# KiCad board stain.kicad_pcb (continued)
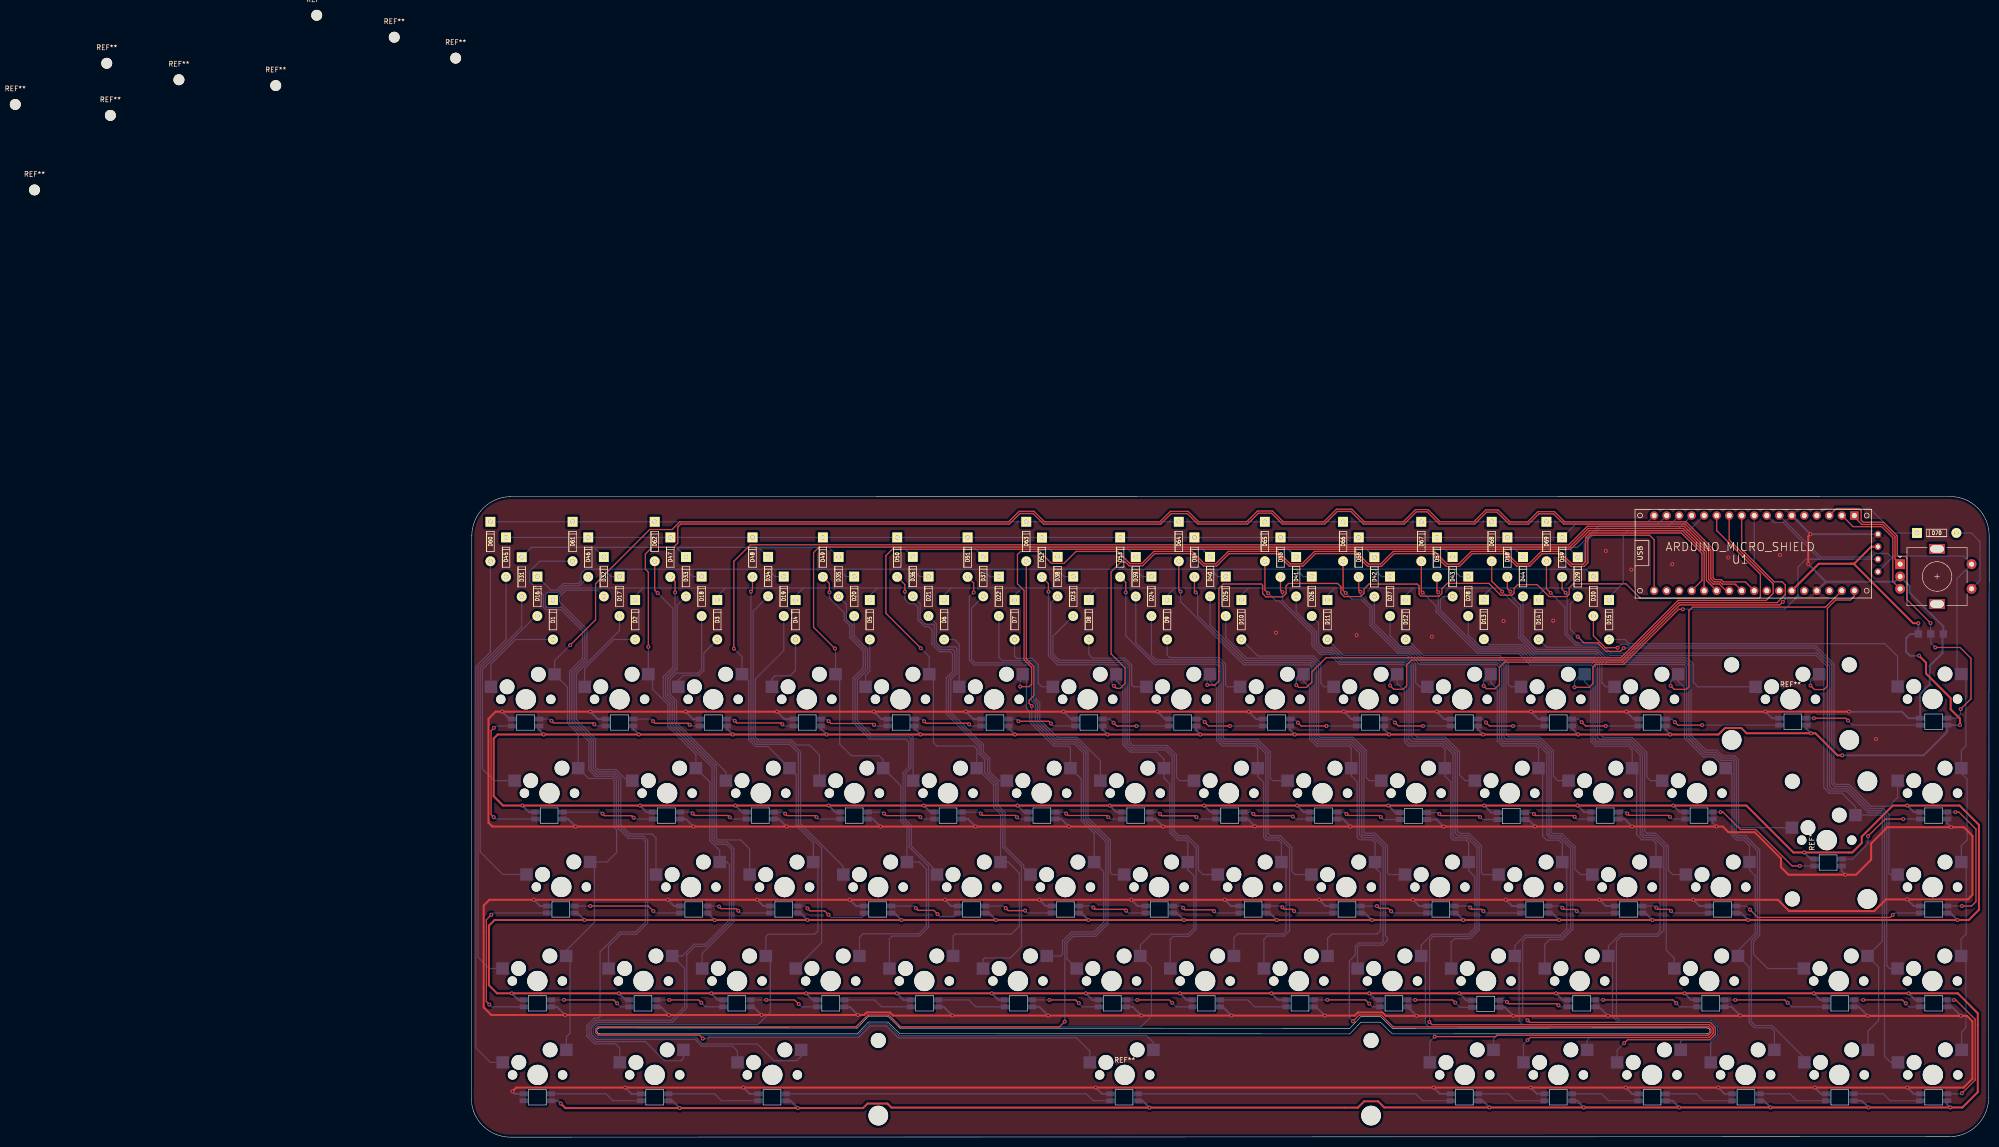
[diagram p0: board, top side]
## Routing (per net, layer and track width the routed paths; a pad name or vN(x,y) marks a point on that pad's centre or on a via; arc(x,y) is an arc through that point) (continued)
Net-(D29-Pad2): length 116
  Top w0.25: v1(224.54,101.52) 225.78,100.27 228.52,100.27 230.24,98.56 233.21,98.56 v1(233.86,99.21)
  Bottom w0.25: D29.2 223.04,108.15 223.04,103.01 v1(224.54,101.52) ; v1(233.86,99.21) 272.69,99.21 276.1,95.8 276.1,71.7 276.68,71.12 279.42,71.12 283.86,66.68 286.5,66.68 287.69,65.49 287.69,53.48 287.9,53.26 SW29.1
Net-(D30-Pad2): length 98.9
  Top w0.25: v1(232.61,99.28) 230.15,99.28 227.72,101.71 D30.2
  Bottom w0.25: SW30.1 289.45,68.9 287.68,67.13 284.05,67.13 279.61,71.56 276.89,71.56 276.55,71.91 276.55,95.99 272.88,99.65 234.78,99.65 234.47,99.97 233.3,99.97 v1(232.61,99.28)
Net-(D31-Pad2): length 66.5
  Bottom w0.25: SW31.1 6.39,53.29 1.81,57.87 1.81,95.07 10.23,103.49 D31.2
Net-(D32-Pad2): length 81.5
  Bottom w0.25: D32.2 25.63,110.95 19.21,110.95 17.9,109.64 17.9,108.58 23.47,103.01 23.47,96.8 20.86,94.19 20.86,84.54 24.76,80.64 24.76,74.86 25.52,74.11 29.18,74.11 30.33,72.97 30.33,63.39 32.23,61.49 36.68,61.49 37.48,60.68 SW32.1
Net-(D33-Pad2): length 67.5
  Bottom w0.25: D33.2 41.79,107.9 41.79,94.96 39.86,93.03 39.86,89.7 41.21,88.35 41.21,83.91 49.75,75.37 49.75,60.7 50.16,60.29 54.66,60.29 56.48,58.47 SW33.1
Net-(D34-Pad2): length 69.2
  Bottom w0.25: SW34.1 75.48,54.92 66.82,63.58 66.82,78.08 64.76,80.14 58.06,80.14 57.19,81.01 57.19,106.67 D34.2
Net-(D35-Pad2): length 72
  Bottom w0.25: SW35.1 94.48,53.86 89.31,59.03 89.31,63.21 88.06,64.46 88.06,73.75 89.21,74.9 89.21,80.94 88.94,81.2 81.04,81.2 77.88,84.36 77.88,92.94 79.97,95.03 79.97,98.79 77.25,101.52 77.25,103.92 76.12,105.05 76.12,108.08 D35.2
Net-(D36-Pad2): length 69.8
  Bottom w0.25: D36.2 91.08,108.23 91.08,105.12 92.2,104.01 93.73,104.01 93.94,103.8 93.94,100.16 95.17,98.93 97.74,98.93 98.11,98.56 98.11,94.29 96.85,93.03 96.85,89.71 96.84,89.7 96.84,86.06 103.48,79.42 103.48,77.94 104.77,76.65 104.77,73.93 106.88,71.83 106.88,67.3 108.31,65.88 108.31,58.95 112.11,55.15 112.11,54.64 SW36.1
Net-(D37-Pad2): length 80.5
  Bottom w0.25: D37.2 101.52,107.34 101.52,96.94 102.23,96.23 113.42,96.23 114.14,95.51 114.14,88.7 114.91,87.93 114.91,84.52 118.77,80.67 122.73,80.67 125.15,78.25 125.15,64.78 129.68,60.25 129.68,53.68 130.1,53.26 SW37.1
Net-(D38-Pad2): length 85.6
  Bottom w0.25: D38.2 117.57,108.31 117.57,97.84 119.14,96.28 132.22,96.28 133.11,95.38 133.11,79.99 134.1,79 141.04,79 142.66,77.37 142.66,62.09 143.61,61.14 145.33,61.14 147.54,58.93 147.54,54.2 148.48,53.26 SW38.1
Net-(D39-Pad2): length 85.6
  Bottom w0.25: SW39.1 167.15,53.26 166.52,53.89 166.52,58.8 164.15,61.17 162.14,61.17 161.7,61.61 161.7,77.97 159.4,80.27 152.77,80.27 152.16,80.87 152.16,95.58 151.37,96.38 138.78,96.38 134.85,100.31 D39.2
Net-(D40-Pad2): length 87.7
  Bottom w0.25: D40.2 149.93,103.91 157.14,96.7 170.58,96.7 171.49,95.79 171.49,81.25 172.08,80.67 178.76,80.67 181.15,78.28 181.15,61.9 181.38,61.67 183.39,61.67 185.94,59.12 185.94,53.59 186.26,53.26 SW40.1
Net-(D41-Pad2): length 88.6
  Bottom w0.25: D41.2 167.39,106.62 171.49,102.53 171.49,100.07 172.75,98.8 174.62,98.8 176.62,96.8 189.65,96.8 190.75,95.71 190.75,81.41 191.46,80.69 197.48,80.69 200.11,78.06 200.11,62.11 200.61,61.62 202.46,61.62 204.99,59.09 204.99,53.65 205.38,53.26 SW41.1
Net-(D42-Pad2): length 91.4
  Bottom w0.25: SW42.1 225.11,53.26 223.99,54.39 223.99,58.91 221.31,61.59 219.43,61.59 219.16,61.86 219.16,78.19 216.64,80.72 210.03,80.72 209.56,81.19 209.56,95.64 208.42,96.78 192.88,96.78 190.61,99.05 188.45,99.05 183.27,104.23 D42.2
Net-(D43-Pad2): length 97.7
  Bottom w0.25: D43.2 197.21,109.68 196.67,109.14 196.67,106.95 204.6,99.02 212.93,99.02 215.28,96.68 227.65,96.68 228.53,95.79 228.53,81.11 229,80.64 235.36,80.64 238.11,77.89 238.11,62.11 238.55,61.67 240.31,61.67 242.94,59.04 242.94,54.14 243.81,53.26 SW43.1
Net-(D44-Pad2): length 94.9
  Bottom w0.25: D44.2 213.43,101.71 216.21,98.93 228.6,98.93 230.75,96.78 246.55,96.78 247.53,95.79 247.53,81.52 250.54,78.51 252.76,78.51 253.92,77.35 256.38,77.35 257.17,76.56 257.17,63.17 257.55,62.79 SW44.1
Net-(D45-Pad2): length 85.4
  Bottom w0.25: D45.2 7.05,100.95 1.36,95.26 1.36,36.48 3.63,34.21 SW45.1
Net-(D46-Pad2): length 107.5
  Bottom w0.25: SW46.1 27.85,38.69 30.33,41.17 33.5,41.17 35.79,43.45 35.79,60.22 34.97,61.04 32.05,61.04 29.88,63.21 29.88,72.78 29,73.66 25.33,73.66 24.31,74.68 24.31,80.45 20.41,84.35 20.41,94.37 23.02,96.98 23.02,102.83 18.39,107.46 15.34,107.46 15.09,107.71 15.09,110.11 15.49,110.51 17.5,110.51 18.84,111.85 21.92,111.85 D46.2
Net-(D47-Pad2): length 90.2
  Top w0.25: v1(41.36,110.52) 41.36,112.7 40.41,113.65 D47.2
  Bottom w0.25: v1(41.36,110.52) 41.34,110.5 41.34,95.14 39.41,93.21 39.41,89.51 40.76,88.16 40.76,83.72 49.3,75.19 49.3,60.52 49.97,59.84 51.98,59.84 53.28,58.54 53.28,43.7 46.85,37.27 SW47.1
Net-(D48-Pad2): length 91.6
  Top w0.25: v1(56.74,110.67) 57.06,110.99 D48.2
  Bottom w0.25: v1(56.74,110.67) 56.74,80.82 57.88,79.69 64.58,79.69 66.37,77.9 66.37,63.39 71.09,58.67 71.09,39.46 SW48.1
Net-(D49-Pad2): length 101.8
  Top w0.25: v1(72.67,110.53) 72.67,112.33 D49.2
  Bottom w0.25: SW49.1 84.85,40.21 85.43,40.79 91,40.79 92.79,42.58 92.79,54.92 88.86,58.85 88.86,63.03 87.61,64.28 87.61,73.94 88.76,75.09 88.76,80.17 88.17,80.75 80.86,80.75 77.43,84.18 77.43,93.13 79.52,95.22 79.52,98.6 76.8,101.33 76.8,103.74 75.67,104.86 75.67,106.36 72.67,109.37 v1(72.67,110.53)
Net-(D50-Pad2): length 99.6
  Top w0.25: v1(87.99,110.67) 87.99,112.1 D50.2
  Bottom w0.25: v1(87.99,110.67) 87.99,109.16 88.93,108.22 89.89,108.22 90.63,107.48 90.63,104.94 92.02,103.56 92.85,103.56 93.49,102.92 93.49,99.98 94.99,98.48 97.17,98.48 97.66,97.99 97.66,94.48 96.39,93.21 96.39,85.87 103.03,79.23 103.03,77.75 104.18,76.6 104.18,73.89 106.43,71.64 106.43,67.12 107.86,65.69 107.86,58.77 111.66,54.97 111.66,38.63 109.37,36.34 104.17,36.34 103.85,36.02 SW50.1
Net-(D51-Pad2): length 107.8
  Top w0.25: v1(101.96,110.51) 101.96,112.41 D51.2
  Bottom w0.25: v1(101.96,110.51) 101.07,109.62 101.07,96.75 102.04,95.78 112.44,95.78 112.45,95.78 113.23,95.78 113.69,95.32 113.69,88.52 114.46,87.74 114.46,84.33 118.58,80.22 122.54,80.22 124.7,78.06 124.7,64.6 129.23,60.07 129.23,43.24 126.73,40.74 122.18,40.74 120.88,39.44 120.88,36.18 SW51.1
Net-(D52-Pad2): length 109.1
  Top w0.25: v1(117.12,110.64) 117.12,112.3 D52.2
  Bottom w0.25: v1(117.12,110.64) 117.12,97.66 118.95,95.83 132.03,95.83 132.66,95.19 132.66,79.8 133.92,78.55 140.85,78.55 142.21,77.18 142.21,61.9 143.42,60.69 145.12,60.69 147.09,58.72 147.09,42.21 145.6,40.72 142.43,40.72 141.85,40.14 SW52.1
Net-(D53-Pad2): length 110.5
  Top w0.25: D53.2 132.82,112.51 v1(132.82,110.51)
  Bottom w0.25: SW53.1 160.85,40.14 161.5,40.79 164.96,40.79 166.07,41.9 166.07,58.62 163.97,60.72 161.65,60.72 161.24,61.13 161.24,77.79 159.22,79.82 152.58,79.82 151.71,80.69 151.71,95.4 151.18,95.93 138.59,95.93 132.82,101.7 v1(132.82,110.51)
Net-(D54-Pad2): length 114
  Top w0.25: D54.2 146.75,110.77 v1(146.99,110.53)
  Bottom w0.25: SW54.1 179.85,38.56 180.21,38.93 184.94,38.93 185.9,39.9 185.9,40.48 185.49,40.89 185.49,58.93 183.2,61.22 180.97,61.22 180.7,61.49 180.7,78.1 178.58,80.22 171.9,80.22 171.04,81.07 171.04,95.6 170.39,96.25 156.95,96.25 147.4,105.81 147.4,110.13 v1(146.99,110.53)
Net-(D55-Pad2): length 114.1
  Top w0.25: v1(164.62,110.58) 164.22,110.98 D55.2
  Bottom w0.25: v1(164.62,110.58) 164.62,108.76 171.04,102.34 171.04,99.88 172.56,98.35 174.43,98.35 176.43,96.35 189.47,96.35 190.3,95.52 190.3,80.79 190.85,80.24 197.3,80.24 199.66,77.88 199.66,61.72 200.22,61.17 202.28,61.17 204.54,58.9 204.54,42.07 202.73,40.27 199.52,40.27 198.85,39.59 SW55.1
Net-(D56-Pad2): length 116.9
  Top w0.25: v1(180.44,110.64) 180.09,110.98 D56.2
  Bottom w0.25: v1(180.44,110.64) 180.44,109.85 182.82,107.48 182.82,104.05 188.26,98.6 190.42,98.6 192.69,96.33 208.24,96.33 209.11,95.45 209.11,80.75 209.59,80.27 216.45,80.27 218.71,78.01 218.71,61.55 219.12,61.14 221.12,61.14 223.54,58.73 223.54,42.2 221.41,40.07 218.82,40.07 217.85,39.1 SW56.1
Net-(D57-Pad2): length 116.6
  Top w0.25: D57.2 195.97,110.82 v1(196.22,110.57)
  Bottom w0.25: SW57.1 244.13,36.31 242.49,37.95 242.49,58.85 240.12,61.22 238.01,61.22 237.66,61.57 237.66,77.7 235.17,80.19 228.54,80.19 228.08,80.65 228.08,95.61 227.46,96.23 215.09,96.23 212.75,98.58 204.41,98.58 196.22,106.77 v1(196.22,110.57)
Net-(D58-Pad2): length 129.8
  Top w0.25: v1(210.88,110.67) 210.25,111.3 D58.2
  Bottom w0.25: SW58.1 263.09,34.21 260.21,37.09 260.21,39.71 261.46,40.96 261.46,58.29 258.57,61.18 257.1,61.18 256.72,61.56 256.72,76.37 256.19,76.9 253.73,76.9 252.57,78.06 250.36,78.06 247.08,81.33 247.08,95.61 246.36,96.33 230.56,96.33 228.42,98.48 216.02,98.48 212.98,101.52 212.98,107.83 210.88,109.93 v1(210.88,110.67)
Net-(D59-Pad2): length 139.3
  Top w0.25: v1(222.07,110.43) 221.37,111.14 D59.2
  Bottom w0.25: SW59.1 287.83,34.21 287.24,34.8 287.24,65.31 286.32,66.23 283.68,66.23 279.24,70.67 276.11,70.67 275.64,71.14 275.64,95.62 273.1,98.16 231.28,98.16 229.16,100.27 224.29,100.27 222.38,102.19 222.38,110.13 v1(222.07,110.43)
Net-(D60-Pad2): length 106.6
  Bottom w0.25: D60.2 3.88,98.41 0.91,95.45 0.91,18.13 3.88,15.16 SW67.1
Net-(D61-Pad2): length 139.1
  Bottom w0.25: D61.2 13.91,116.83 11.91,114.83 11.91,112.67 14.64,109.94 14.64,107.53 15.16,107.01 18.2,107.01 22.57,102.64 22.57,97.17 19.96,94.56 19.96,84.17 23.86,80.27 23.86,74.49 25.15,73.21 28.81,73.21 29.43,72.59 29.43,63.02 31.86,60.59 34.78,60.59 35.34,60.03 35.34,43.64 33.32,41.62 30.14,41.62 26.14,37.61 26.14,24.5 25.8,24.17 25.01,24.17 23.45,22.61 23.45,20.48 25.01,18.92 29.25,18.92 30.13,18.04 SW68.1
Net-(D62-Pad2): length 160.7
  Top w0.25: D62.2 37.22,110.97 v1(37.82,110.37)
  Bottom w0.25: v1(37.82,110.37) 40.89,107.3 40.89,95.33 38.96,93.4 38.96,89.33 40.31,87.97 40.31,83.54 48.85,75 48.85,60.33 49.79,59.39 51.79,59.39 52.83,58.36 52.83,43.89 47.62,38.68 45.37,38.68 43.73,37.05 43.73,26.25 40.75,23.27 25.38,23.27 24.35,22.23 24.35,20.85 25.38,19.82 45.43,19.82 46.81,18.43 53.06,18.43 54.01,17.49 SW69.1
Net-(D63-Pad2): length 314
  Top w0.25: v1(46.99,19.99) 46.28,20.7 25.76,20.7 25.26,21.2 25.26,21.88 25.75,22.37 78.09,22.37 80.49,24.77 84.72,24.77 87.13,22.36 119.35,22.36 120.37,23.39 120.37,23.4 v1(120.43,23.45) ; v1(113.74,87.44) 113.19,87.99 113.19,88.58 114.16,89.55 114.16,95.5 112.62,97.03 D63.2
  Bottom w0.25: v1(113.74,87.44) 113.74,84.42 118.4,79.77 122.36,79.77 124.25,77.88 124.25,64.41 128.78,59.88 128.78,43.43 126.54,41.19 122,41.19 120.43,39.62 v1(120.43,23.45) ; SW60.1 125.51,17.45 122.82,20.14 86.64,20.14 84.23,22.56 80.93,22.56 78.65,20.27 48.27,20.27 48,19.99 v1(46.99,19.99)
Net-(D64-Pad2): length 266.5
  Top w0.25: v1(143.94,110.66) 143.58,111.02 D64.2 ; v1(178.92,23.51) 180.18,24.77 184.68,24.77 187.08,22.37 251.08,22.37 251.56,21.89 251.56,21.23 251,20.67 208.15,20.67 207.87,20.39 v1(195.5,20.39)
  Bottom w0.25: v1(195.5,20.39) 194.52,19.4 SW61.1 ; v1(178.92,23.51) 178.19,24.24 178.19,35.74 179.4,36.95 179.4,38.75 180.03,39.38 184.75,39.38 185.04,39.67 185.04,58.74 183.02,60.77 180.77,60.77 180.77,60.78 180.24,61.31 180.24,77.9 178.37,79.77 171.71,79.77 170.59,80.89 170.59,95.42 170.21,95.8 156.77,95.8 143.94,108.63 v1(143.94,110.66)
Net-(D65-Pad2): length 236.4
  Top w0.25: v1(194.43,23.37) 194.98,22.82 219.07,22.82 219.07,22.83 251.26,22.83 252.02,22.07 252.02,21.05 251.18,20.21 214.88,20.21 v1(214.35,19.68) ; v1(161.72,110.33) 161.04,111.01 D65.2
  Bottom w0.25: v1(214.35,19.68) 213.52,18.84 SW62.1 ; v1(161.72,110.33) 163.29,108.76 163.98,108.76 170.59,102.16 170.59,99.69 172.38,97.9 174.25,97.9 176.25,95.9 189.28,95.9 189.84,95.34 189.84,80.36 190.41,79.79 197.11,79.79 199.21,77.69 199.21,61.13 199.63,60.72 202.09,60.72 204.09,58.72 204.09,42.26 202.55,40.72 195.17,40.72 194.48,40.02 194.48,23.42 v1(194.43,23.37)
Net-(D66-Pad2): length 201.4
  Top w0.25: v1(233.96,19.07) 234.65,19.76 251.37,19.76 252.47,20.86 252.47,22.25 251.44,23.28 214.78,23.28 v1(214.37,23.69) ; D66.2 176.92,110.91 v1(177.44,110.38)
  Bottom w0.25: SW63.1 232.52,17.63 v1(233.96,19.07) ; v1(177.44,110.38) 178.68,109.14 180.52,109.14 182.37,107.29 182.37,103.86 188.08,98.15 190.21,98.15 192.48,95.88 208.05,95.88 208.66,95.27 208.66,80.56 209.41,79.82 216.26,79.82 218.26,77.82 218.26,61.36 218.93,60.69 220.94,60.69 223.09,58.54 223.09,42.38 221.23,40.52 214.08,40.52 213.37,39.82 213.37,24.68 v1(214.37,23.69)
Net-(D67-Pad2): length 167.6
  Top w0.25: v1(193.07,110.46) 192.79,110.73 D67.2
  Bottom w0.25: SW64.1 251.52,19.28 252.91,20.67 252.91,22.45 251.64,23.72 233,23.72 232.4,24.32 232.4,39.77 233.37,40.74 240.77,40.74 242.01,41.98 242.01,58.7 239.94,60.77 237.83,60.77 237.21,61.38 237.21,77.51 234.98,79.74 228.35,79.74 227.63,80.46 227.63,95.42 227.28,95.78 214.91,95.78 212.56,98.13 204.22,98.13 195.77,106.58 195.77,107.75 v1(193.07,110.46)
Net-(D68-Pad2): length 151.1
  Top w0.25: D68.2 207.08,112.79 v1(209.2,110.67)
  Bottom w0.25: SW65.1 270.52,16.09 263.97,22.64 260.56,22.64 259.76,23.45 259.76,39.9 261.01,41.15 261.01,58.1 258.38,60.73 256.91,60.73 256.27,61.38 256.27,76.19 256.01,76.45 253.54,76.45 252.38,77.61 250.17,77.61 246.63,81.15 246.63,95.42 246.18,95.88 230.38,95.88 228.23,98.03 215.84,98.03 212.53,101.33 212.53,107.33 209.2,110.66 v1(209.2,110.67)
Net-(D69-Pad2): length 162.9
  Top w0.25: D69.2 218.19,111.24 v1(219.05,110.38)
  Bottom w0.25: v1(219.05,110.38) 221.93,107.5 221.93,102 224.11,99.82 228.97,99.82 231.09,97.71 272.92,97.71 275.18,95.44 275.18,70.81 275.78,70.22 279.05,70.22 283.49,65.78 286.13,65.78 286.79,65.12 286.79,16.4 288.03,15.16 SW66.1
Net-(LED1-Pad2): length 14.1
  Top w0.25: v1(148.83,84.19) 149.61,83.41 v1(153.96,83.41)
  Bottom w0.25: LED2.4 153.96,83.41 v1(153.96,83.41) ; LED1.2 148.21,84.81 v1(148.83,84.19)
Net-(LED1-Pad4): length 14.1
  Top w0.25: v1(130.33,84.06) 130.98,83.41 v1(134.97,83.41)
  Bottom w0.25: v1(130.33,84.06) 129.58,84.81 LED15.2 ; v1(134.97,83.41) 134.97,83.41 LED1.4
Net-(LED2-Pad2): length 14.1
  Top w0.25: v1(173.54,83.41) 168.4,83.41 v1(167.75,84.07)
  Bottom w0.25: v1(167.75,84.07) 167,84.81 LED2.2 ; LED3.4 173.54,83.41 v1(173.54,83.41)
Net-(LED3-Pad2): length 14.1
  Top w0.25: v1(193.13,83.41) 188.13,83.41 v1(187.45,84.09)
  Bottom w0.25: LED3.2 186.73,84.81 v1(187.45,84.09) ; v1(193.13,83.41) 193.13,83.41 LED4.4
Net-(LED4-Pad2): length 14.1
  Top w0.25: v1(205.94,84.1) 206.62,83.41 v1(211.41,83.41)
  Bottom w0.25: LED5.4 211.41,83.41 v1(211.41,83.41) ; v1(205.94,84.1) 205.22,84.81 LED4.2
Net-(LED5-Pad2): length 14.1
  Top w0.25: v1(225.33,84.19) 226.11,83.41 v1(230.23,83.41)
  Bottom w0.25: LED5.2 224.71,84.81 v1(225.33,84.19) ; LED6.4 230.23,83.41 v1(230.23,83.41)
Net-(LED6-Pad2): length 23.6
  Top w0.25: v1(244.28,84.17) 244.87,83.58 v1(249.79,83.58)
  Bottom w0.25: LED6.2 243.64,84.81 v1(244.28,84.17) ; LED7.4 v1(249.79,83.58)
Net-(LED7-Pad2): length 23.7
  Top w0.25: v1(279.39,84.53) 278.94,84.98 v1(272.47,84.98)
  Bottom w0.25: LED8.4 280.34,83.58 v1(279.39,84.53) ; LED7.2 272.46,84.98 v1(272.47,84.98)
Net-(LED10-Pad2): length 14.1
  Top w0.25: v1(36.88,84.37) 37.29,83.96 44.01,83.96 v1(44.33,83.65)
  Bottom w0.25: LED10.2 36.44,84.81 v1(36.88,84.37) ; v1(44.33,83.65) 44.56,83.41 LED11.4
Net-(LED10-Pad4): length 14.1
  Top w0.25: v1(16.27,84.45) 16.7,84.01 24.69,84.01 v1(24.95,83.75)
  Bottom w0.25: v1(24.95,83.75) 25.29,83.41 LED10.4 ; v1(16.27,84.45) 15.9,84.81 LED9.2
Net-(LED11-Pad2): length 14.1
  Top w0.25: v1(63.12,83.74) 62.84,84.02 53.89,84.02 v1(53.45,84.46)
  Bottom w0.25: LED11.2 53.1,84.81 v1(53.45,84.46) ; LED12.4 63.45,83.41 v1(63.12,83.74)
Net-(LED12-Pad2): length 14.1
  Top w0.25: v1(81.73,83.64) 81.46,83.91 72.96,83.91 v1(72.49,84.38)
  Bottom w0.25: LED12.2 72.06,84.81 v1(72.49,84.38) ; v1(81.73,83.64) 81.96,83.41 LED13.4
Net-(LED13-Pad2): length 14.1
  Top w0.25: v1(91.89,84.35) 92.28,83.96 100.81,83.96 v1(101.03,83.74)
  Bottom w0.25: v1(101.03,83.74) 101.36,83.41 LED14.4 ; v1(91.89,84.35) 91.43,84.81 LED13.2
Net-(LED14-Pad2): length 14.1
  Top w0.25: v1(111.04,84.37) 111.04,84.37 117.17,84.37 v1(117.64,83.9)
  Bottom w0.25: LED14.2 110.59,84.81 v1(111.04,84.37) ; LED15.4 118.13,83.41 v1(117.64,83.9)
Net-(LED16-Pad2): length 20.2
  Top w0.25: v1(283.44,61.05) 283.45,61.05 286.93,64.53 290.62,64.53 v1(290.59,64.53)
  Bottom w0.25: v1(290.59,64.53) LED16.2 ; v1(283.44,61.05) 283.44,59.53 280.31,56.41 LED30.4
Net-(LED16-Pad4): length 28.2
  Top w0.25: v1(302.49,46.88) 304.45,46.88 305.35,47.78 305.35,62.48 301.9,65.93 v1(301.18,65.93)
  Bottom w0.25: v1(301.18,65.93) 301.17,65.93 LED16.4 ; v1(302.49,46.88) LED31.2
Net-(LED17-Pad2): length 31.1
  Top w0.25: v1(4.58,83.01) 4.01,82.45 4.01,65.44 v1(4.54,64.91)
  Bottom w0.25: v1(4.54,64.91) 4.92,64.53 LED17.2 ; LED9.4 4.98,83.41 v1(4.58,83.01)
Net-(LED17-Pad4): length 18.9
  Top w0.25: v1(26.62,65.62) 27.04,65.2 32.54,65.2 v1(32.94,64.81)
  Bottom w0.25: LED18.2 33.21,64.53 v1(32.94,64.81) ; LED17.4 26.31,65.93 v1(26.62,65.62)
Net-(LED18-Pad4): length 14.1
  Top w0.25: v1(44.91,65.65) 45.3,65.26 52.07,65.26 v1(52.44,64.89)
  Bottom w0.25: LED18.4 44.63,65.93 v1(44.91,65.65) ; LED19.2 52.8,64.53 v1(52.44,64.89)
Net-(LED19-Pad4): length 14.1
  Top w0.25: v1(63.7,65.61) 64.09,65.22 69.74,65.22 v1(70.05,64.91)
  Bottom w0.25: v1(70.05,64.91) 70.43,64.53 LED20.2 ; LED19.4 63.38,65.93 v1(63.7,65.61)
Net-(LED20-Pad4): length 14.1
  Top w0.25: v1(83.77,65.65) 84.19,65.22 90.82,65.22 v1(91.12,64.92)
  Bottom w0.25: v1(91.12,64.92) 91.51,64.53 LED21.2 ; v1(83.77,65.65) 83.48,65.93 LED20.4
Net-(LED21-Pad4): length 14.1
  Top w0.25: v1(110.73,64.9) 110.34,65.28 103.73,65.28 v1(103.39,65.62)
  Bottom w0.25: v1(110.73,64.9) 111.09,64.53 LED22.2 ; LED21.4 103.08,65.93 v1(103.39,65.62)
Net-(LED22-Pad4): length 14.1
  Top w0.25: v1(129.26,64.9) 128.92,65.25 121.09,65.25 v1(120.71,65.63)
  Bottom w0.25: v1(129.26,64.9) 129.63,64.53 LED23.2 ; v1(120.71,65.63) 120.41,65.93 LED22.4
Net-(LED23-Pad4): length 14.1
  Top w0.25: v1(147.14,64.92) 146.87,65.19 140.14,65.19 v1(139.77,65.56)
  Bottom w0.25: LED24.2 147.53,64.53 v1(147.14,64.92) ; LED23.4 139.4,65.93 v1(139.77,65.56)
Net-(LED24-Pad4): length 14.1
  Top w0.25: v1(166.71,65.05) 166.56,65.2 159.07,65.2 v1(158.7,65.57)
  Bottom w0.25: v1(166.71,65.05) 167.23,64.53 LED25.2 ; v1(158.7,65.57) 158.34,65.93 LED24.4
Net-(LED25-Pad4): length 13.4
  Top w0.25: v1(177.62,65.55) 177.91,65.25 184.27,65.25 v1(184.57,64.95)
  Bottom w0.25: v1(184.57,64.95) 185.09,64.44 LED26.2 ; LED25.4 177.23,65.93 v1(177.62,65.55)
Net-(LED26-Pad4): length 14.9
  Top w0.25: v1(204.73,64.92) 204.42,65.22 196.78,65.22 v1(196.45,65.55)
  Bottom w0.25: LED26.4 196.17,65.84 v1(196.45,65.55) ; LED27.2 205.21,64.44 v1(204.73,64.92)
Net-(LED27-Pad4): length 14.1
  Top w0.25: v1(215.66,65.55) 215.97,65.23 223.66,65.23 v1(223.91,64.99)
  Bottom w0.25: v1(215.66,65.55) 215.37,65.84 LED27.4 ; LED28.2 224.36,64.53 v1(223.91,64.99)
Net-(LED28-Pad4): length 14.1
  Top w0.25: v1(243.28,64.96) 242.95,65.28 234.94,65.28 v1(234.57,65.65)
  Bottom w0.25: LED28.4 234.29,65.93 v1(234.57,65.65) ; LED29.2 243.7,64.53 v1(243.28,64.96)
Net-(LED29-Pad4): length 25.2
  Top w0.25: v1(269.61,55.01) 268.05,55.01 260.67,62.39 257.56,62.39 254.02,65.93 v1(253.51,65.93)
  Bottom w0.25: v1(253.51,65.93) 253.51,65.93 LED29.4 ; v1(269.61,55.01) 269.61,55.01 LED30.2
Net-(LED31-Pad4): length 38.7
  Top w0.25: v1(288.47,45.08) 287.95,44.57 261.06,44.57 v1(259.48,46.15)
  Bottom w0.25: v1(288.47,45.08) 288.87,45.48 LED31.4 ; v1(259.48,46.15) 258.75,46.88 LED32.2
Net-(LED32-Pad4): length 14.1
  Top w0.25: v1(240.5,46.54) 240.84,46.2 243.15,46.2 v1(243.48,45.87)
  Bottom w0.25: v1(240.5,46.54) 240.16,46.88 LED33.2 ; v1(243.48,45.87) 243.87,45.48 LED32.4
Net-(LED33-Pad4): length 14.1
  Top w0.25: v1(224.34,45.85) 224.01,46.18 221.77,46.18 v1(221.42,46.53)
  Bottom w0.25: LED34.2 221.07,46.88 v1(221.42,46.53) ; v1(224.34,45.85) 224.71,45.48 LED33.4
Net-(LED34-Pad4): length 14.1
  Top w0.25: v1(205.39,45.85) 205,46.24 203.08,46.24 v1(202.74,46.58)
  Bottom w0.25: LED34.4 205.76,45.48 v1(205.39,45.85) ; LED35.2 202.44,46.88 v1(202.74,46.58)
Net-(LED35-Pad4): length 14.1
  Top w0.25: v1(186.68,45.82) 186.08,46.42 184.23,46.42 183.78,46.87 v1(183.78,46.88)
  Bottom w0.25: v1(183.78,46.88) LED36.2 ; LED35.4 187.02,45.48 v1(186.68,45.82)
Net-(LED36-Pad4): length 14.1
  Top w0.25: v1(166.98,45.85) 166.6,46.23 165.01,46.23 v1(164.6,46.64)
  Bottom w0.25: v1(164.6,46.64) 164.36,46.88 LED37.2 ; v1(166.98,45.85) 167.35,45.48 LED36.4
Net-(LED37-Pad4): length 14.1
  Top w0.25: v1(144.44,46.52) 144.85,46.11 150.47,46.11 v1(150.75,45.84)
  Bottom w0.25: v1(144.44,46.52) 144.08,46.88 LED38.2 ; LED37.4 151.1,45.48 v1(150.75,45.84)
Net-(LED38-Pad4): length 14.1
  Top w0.25: v1(132.89,45.95) 132.62,46.22 126.59,46.22 v1(126.23,46.58)
  Bottom w0.25: LED39.2 125.93,46.88 v1(126.23,46.58) ; LED38.4 133.36,45.48 v1(132.89,45.95)
Net-(LED39-Pad4): length 14.1
  Top w0.25: v1(108.46,46.44) 108.95,45.95 v1(112.38,45.95)
  Bottom w0.25: v1(108.46,46.44) 108.02,46.88 LED40.2 ; LED39.4 112.85,45.48 v1(112.38,45.95)
Net-(LED40-Pad4): length 14.8
  Top w0.25: v1(90.21,46.46) 90.65,46.02 93.84,46.02 v1(94.62,45.24)
  Bottom w0.25: v1(90.21,46.46) 89.79,46.88 LED41.2 ; LED40.4 97.98,44.7 95.16,44.7 v1(94.62,45.24)
Net-(LED41-Pad4): length 15.2
  Top w0.25: v1(68.23,46.39) 68.72,45.89 71.72,45.89 v1(72.49,45.12)
  Bottom w0.25: LED41.4 79.71,45.01 79.24,44.53 73.08,44.53 v1(72.49,45.12) ; v1(68.23,46.39) 67.73,46.88 LED42.2
Net-(LED42-Pad4): length 13.3
  Top w0.25: v1(50.27,46.78) 50.7,46.34 53.76,46.34 v1(54.19,45.91)
  Bottom w0.25: LED43.2 50.16,46.88 v1(50.27,46.78) ; v1(54.19,45.91) 54.62,45.48 LED42.4
Net-(LED43-Pad4): length 22.1
  Top w0.25: v1(36.94,45.87) 35.93,46.88 v1(24.15,46.88)
  Bottom w0.25: v1(36.94,45.87) 37.33,45.48 LED43.4 ; v1(24.15,46.88) LED44.2
Net-(LED45-Pad2): length 37.6
  Top w0.25: v1(3.66,26.9) 3.04,27.52 3.04,44.08 v1(4.06,45.1)
  Bottom w0.25: v1(4.06,45.1) 4.44,45.48 LED44.4 ; LED45.2 4.13,26.43 v1(3.66,26.9)
Net-(LED45-Pad4): length 16.5
  Top w0.25: v1(29.59,27.15) 28.91,27.83 v1(18.82,27.83)
  Bottom w0.25: v1(29.59,27.15) 30.31,26.43 LED46.2 ; LED45.4 v1(18.82,27.83)
Net-(LED47-Pad2): length 14.1
  Top w0.25: v1(46.68,27.28) 46.13,27.83 40.21,27.83 v1(40.19,27.82)
  Bottom w0.25: LED46.4 40.18,27.83 v1(40.19,27.82) ; v1(46.68,27.28) 47.53,26.43 LED47.2
Net-(LED48-Pad2): length 14.1
  Top w0.25: v1(59.86,27.83) 65.6,27.83 v1(66.44,26.99)
  Bottom w0.25: LED47.4 v1(59.86,27.83) ; v1(66.44,26.99) 67,26.43 LED48.2
Net-(LED49-Pad2): length 14.1
  Bottom w0.25: LED49.2 83.25,26.43 81.85,27.83 LED48.4
Net-(LED49-Pad4): length 14.1
  Bottom w0.25: LED50.2 102.36,26.43 100.96,27.83 LED49.4
Net-(LED51-Pad2): length 14.1
  Top w0.25: v1(117.33,27.83) 117.34,27.83 122.63,27.83 v1(123.29,27.18)
  Bottom w0.25: LED51.2 124.03,26.43 v1(123.29,27.18) ; LED50.4 117.33,27.83 v1(117.33,27.83)
Net-(LED51-Pad4): length 14.1
  Top w0.25: v1(142.25,27.25) 141.66,27.83 135.16,27.83 v1(135.15,27.83)
  Bottom w0.25: v1(142.25,27.25) 143.06,26.43 LED52.2 ; v1(135.15,27.83) 135.15,27.83 LED51.4
Net-(LED52-Pad4): length 14.1
  Bottom w0.25: LED53.2 158.95,26.43 157.55,27.83 LED52.4
Net-(LED54-Pad2): length 14.1
  Top w0.25: v1(173.73,27.84) 181.48,27.84 v1(182.23,27.09)
  Bottom w0.25: v1(182.23,27.09) 182.88,26.43 LED54.2 ; v1(173.73,27.84) 173.72,27.83 LED53.4
Net-(LED55-Pad2): length 13.7
  Top w0.25: v1(191.55,27.83) 199.14,27.83 v1(199.68,27.29)
  Bottom w0.25: LED55.2 200.63,26.34 v1(199.68,27.29) ; LED54.4 v1(191.55,27.83)
Net-(LED55-Pad4): length 14.5
  Top w0.25: v1(210.19,27.43) 210.56,27.05 220.32,27.05 v1(220.63,26.74)
  Bottom w0.25: v1(210.19,27.43) 209.88,27.74 LED55.4 ; v1(220.63,26.74) 220.94,26.43 LED56.2
Net-(LED57-Pad2): length 21.3
  Top w0.25: v1(229.72,27.83) 243.88,27.83 v1(244.54,27.17)
  Bottom w0.25: LED57.2 245.28,26.43 v1(244.54,27.17) ; LED56.4 v1(229.72,27.83)
Net-(LED58-Pad2): length 21.3
  Top w0.25: v1(267.13,27.27) 266.57,27.83 256.52,27.83 v1(256.51,27.83)
  Bottom w0.25: LED58.2 267.97,26.43 v1(267.13,27.27) ; v1(256.51,27.83) 256.51,27.83 LED57.4
Net-(LED58-Pad4): length 14.1
  Top w0.25: v1(291.11,27.13) 290.4,27.83 282.5,27.83 v1(282.5,27.83)
  Bottom w0.25: LED59.2 291.8,26.43 v1(291.11,27.13) ; LED58.4 282.49,27.83 v1(282.5,27.83)
Net-(LED59-Pad4): length 26.4
  Top w0.25: v1(302.5,8.9) 305.19,11.59 305.19,23.9 301.26,27.83 v1(300.88,27.83)
  Bottom w0.25: LED59.4 300.87,27.83 v1(300.88,27.83) ; LED69.2 302.38,8.78 v1(302.5,8.9)
Net-(LED60-Pad2): length 18.9
  Bottom w0.25: LED61.4 28.75,7.38 27.35,8.78 LED60.2
Net-(LED61-Pad2): length 18.9
  Bottom w0.25: LED62.4 50.78,7.38 49.38,8.78 LED61.2
Net-(LED62-Pad2): length 66.5
  Bottom w0.25: LED63.4 126.22,7.38 124.82,8.78 LED62.2
Net-(LED63-Pad2): length 64.1
  Bottom w0.25: LED63.2 191.67,8.78 193.07,7.38 LED64.4
Net-(LED65-Pad2): length 14.1
  Bottom w0.25: LED66.4 230.8,7.38 229.4,8.78 LED65.2
Net-(LED65-Pad4): length 14.1
  Bottom w0.25: LED64.2 210.47,8.78 211.87,7.38 LED65.4
Net-(LED66-Pad2): length 14.1
  Bottom w0.25: LED66.2 248.63,8.78 250.03,7.38 LED67.4
Net-(LED68-Pad2): length 14.1
  Bottom w0.25: LED69.4 287.96,7.38 286.56,8.78 LED68.2
Net-(LED68-Pad4): length 14.1
  Bottom w0.25: LED67.2 267.62,8.78 269.02,7.38 LED68.4
Net-(SW70-PadS1): length 15.8
  Bottom w0.25: D70.2 304.39,122.57 306.17,120.8 306.17,112.95 SW70.S1

## Copper pours and planes (outline as drawn; the poured copper is in the pictures)
GND on Top, Bottom: 309.56,-0.66 -2.35,-0.66 -2.35,131.1 309.56,131.57
